# Altium PCB Copy of DIOT_SMA16_.PcbDoc (part 4 of 6) (continued)
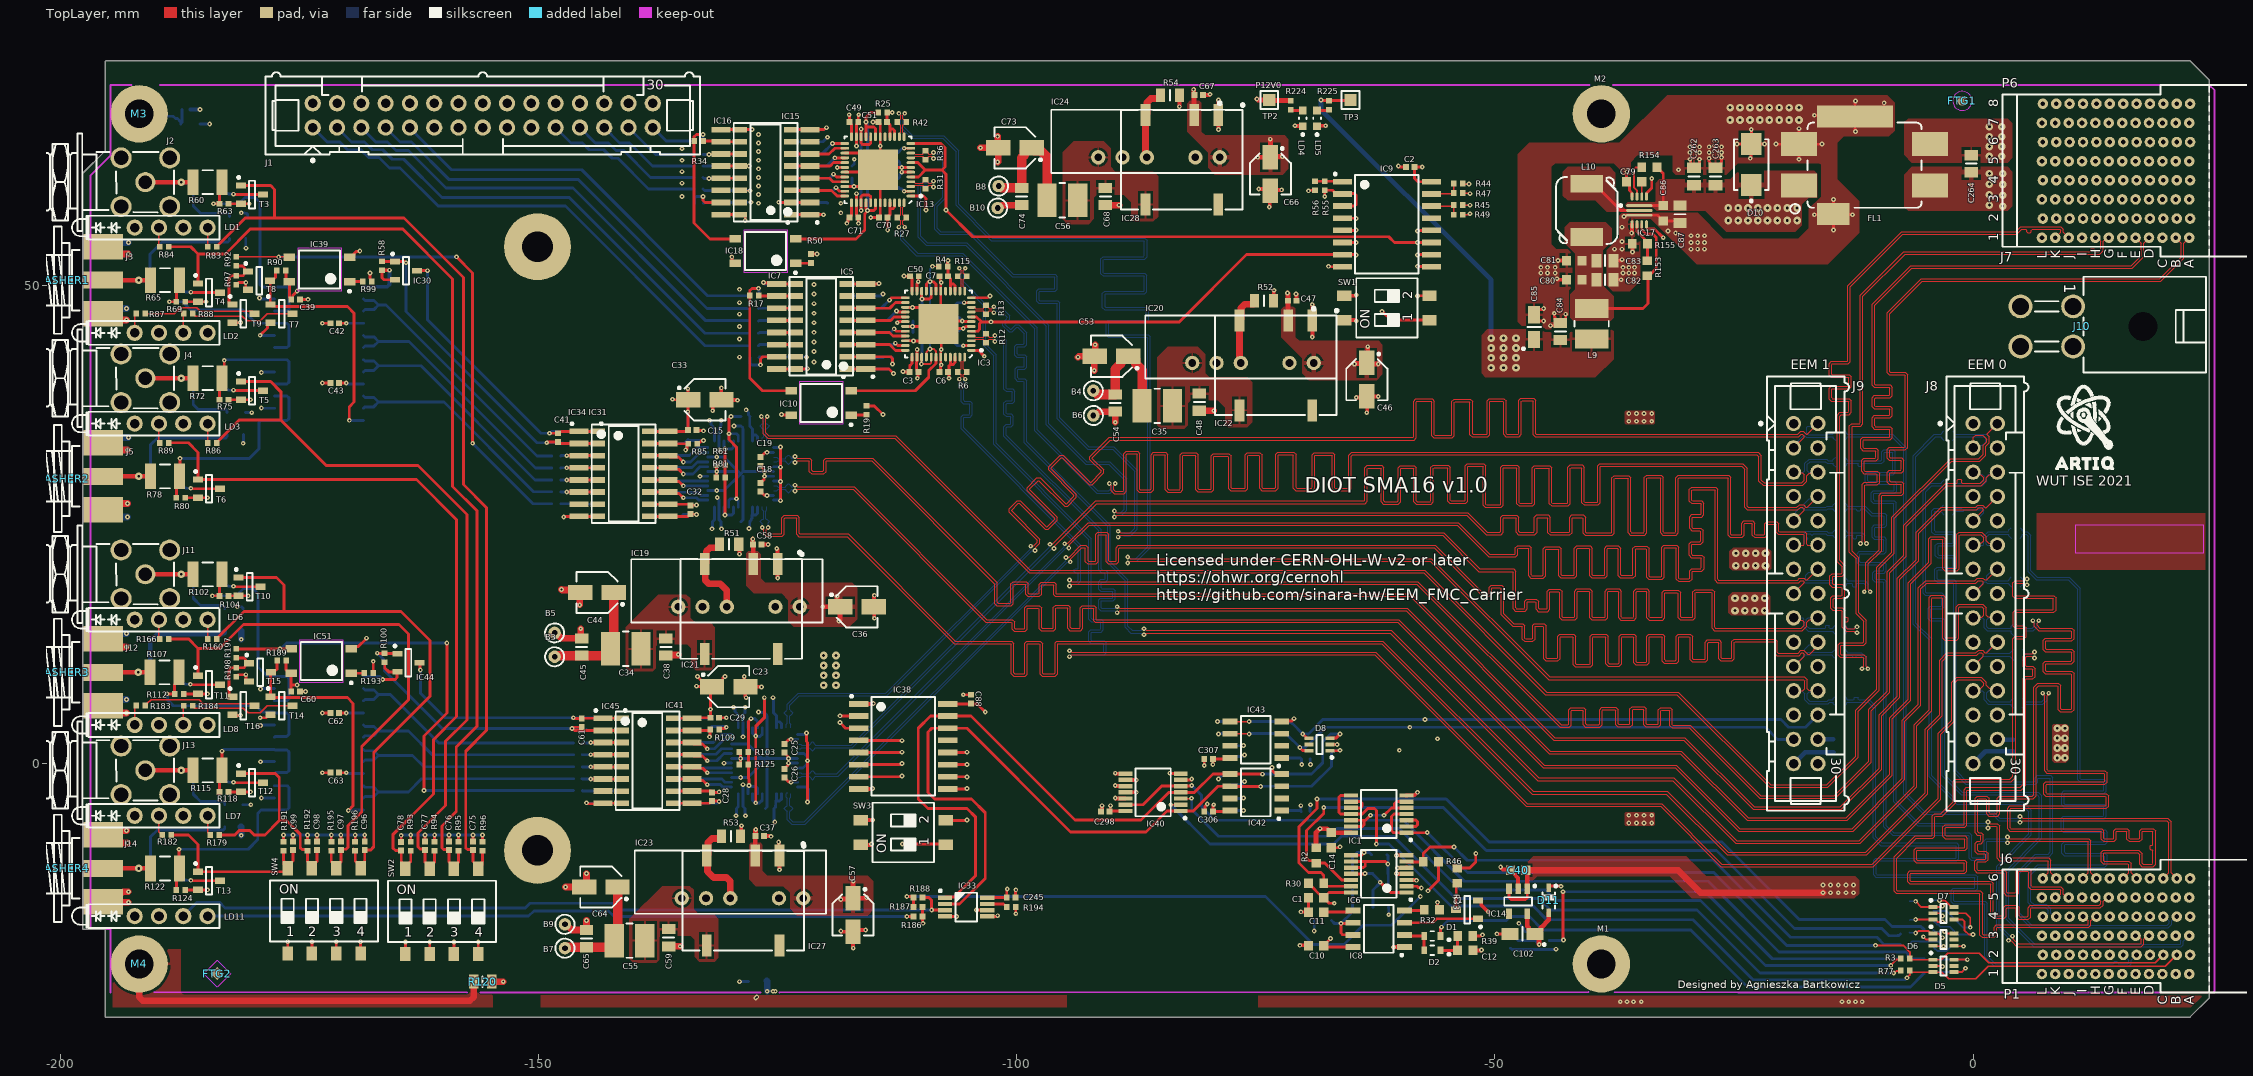
[diagram p0: TopLayer view]
## Nets (pads, with @x,y where several pads share a name; then routed paths per layer and width w, separated by ;. In a path a pad name is that pad's centre, name@x,y a point inside that pad or via, vN(x,y) a via of type N, cw(c..) or ccw(c..) an arc to the next point about the centre after c; other vN are vias at no path point) (continued)
  Bottom Layer w0.4: C212.2@-186.4,68.4 v1(-185.4,68.4)
  other v1: -45.2,51.3 -44.5,51.3 -43.7,51.3 -36.6,51.3 -36,51.3 -35.4,51.3 -45.2,51.9 -44.5,51.9 -43.7,51.9 -36.6,51.9 -36,51.9 -35.4,51.9 -37.5,53.8 -36.7,53.8 -29.5,53.8 -28.8,53.8 -28.1,53.8 -29.5,54.5 -28.8,54.5 -28.1,54.5 -36.7,54.6 -29.5,55.2 -28.8,55.2 -28.1,55.2 -31.1,55.5 -31.9,55.7 -36.7,56.1 -118.401,58.6 -30.8,62.1 -29.6,63.9 -28.6,63.9 -27.6,63.9 -26.3,63.9 -29.6,64.5 -28.6,64.5 -27.6,64.5 -26.3,64.5
  other v2: -25.4,67.3 -24.367,67.3 -23.333,67.3 -22.3,67.3 -21.3,67.3 -20.267,67.3 -19.233,67.3 -18.2,67.3 -25.4,68.6 -24.367,68.6 -23.333,68.6 -22.3,68.6 -21.3,68.6 -20.267,68.6 -19.233,68.6 -18.2,68.6
GND_ISO1: B5.1 C38.1 C39.1 C41.1 C42.1 C43.1 C44.2 C45.1 C75.1 C76.1 C77.1 C78.1 D4.1 D9.1 IC19.4 IC21.7 IC30.1 IC31.2 IC31.8 IC34.2 IC34.8 IC35.2 IC35.5 IC35.8 IC35.11 IC36.9 IC37.9 J2.2 J3.2 J4.2 J5.2 LD1.1 LD1.3 LD3.1 LD3.3 R51.1 R58.1 R63.1 R69.1 R75.1 R80.1 R93.2 R94.2 R95.2 R96.2 R97.1 R98.1 T3.2 T4.2 T5.2 T6.2 T7.2 T8.2 T9.2 | length 132
  TopLayer w0.3: R80.1@-186.933,27.8 T6.2@-185.623,27.8 v1(-184.623,27.8) ; R69.1@-186.933,48.3 T4.2@-185.623,48.3 -184.778,48.3 v1(-184.773,48.295) ; R75.1@-182.433,38.05 T5.2@-181.123,38.05 v1(-180.123,38.05) ; R63.1@-182.433,58.55 T3.2@-181.123,58.55 -180.286,58.55 -180.278,58.542 v1(-180.273,58.542) ; T9.2@-182.023,46.1 -181.214,46.1 v1(-181.173,46.141) ; R97.1@-181.623,50.08 -181.603,50.08 -181.383,50.3 v1(-180.623,50.3) -180.623,49.725 -180.448,49.55 T8.2@-180.373,49.55 ; v1(-179.123,44.8) -178.366,45.557 -178.366,45.925 -178.191,46.1 T7.2@-178.023,46.1 ; C39.1@-174.973,48.55 v1(-174.123,48.55) ; v1(-172.623,39.8) C43.1@-171.773,39.8 ; v1(-172.623,46.05) C42.1@-171.773,46.05 ; R58.1@-166.373,52.52 -165.043,52.52 IC30.1@-165.023,52.5 -164.047,52.5 -163.927,52.38 v1(-163.873,52.38) ; C78.1@-164.373,-8.2 v1(-164.373,-7.5) ; R93.2@-163.373,-8.15 v1(-163.373,-7.45) ; C77.1@-161.873,-8.15 v1(-161.873,-7.45) ; R94.2@-160.873,-8.15 v1(-160.873,-7.45) ; C76.1@-159.373,-8.15 v1(-159.373,-7.45) ; R95.2@-158.373,-8.15 v1(-158.373,-7.45) ; C75.1@-156.873,-8.15 v1(-156.873,-7.45) ; R96.2@-155.873,-8.15 v1(-155.873,-7.45) ; v1(-149.151,33.558) -149.097,33.558 -149.005,33.65 C41.1@-147.993,33.65 -147.833,33.49 -147.698,33.49 -147.683,33.475 IC34.2@-145.773,33.475 IC31.2@-143.823,33.475 ; v1(-147.373,25.8) -147.318,25.855 IC34.8@-145.773,25.855 IC31.8@-143.823,25.855
  TopLayer w0.7: J5.2@-195.573,26.557 -194.93,27.2 v1(-193,27.2) ; J5.2@-195.573,33.542 -194.83,32.8 v1(-193,32.8) ; J3.2@-195.573,47.057 -194.915,46.4 v1(-193.1,46.4) ; J3.2@-195.573,54.042 -194.83,53.3 v1(-192.9,53.3) ; B5.1@-148.328,13.675 -148.193,13.675 -147.618,13.1 C45.1@-145.5,13.1 -145.6,13.2 v1(-145.6,14.1) ; v1(-147.6,18.2) -147.555,18.155 -145.905,18.155 C44.2@-145.65,17.9 -145.7,17.85 v1(-145.7,16.6) ; C38.1@-136.7,11.3 -136.645,11.355 -135.445,11.355 v1(-135.4,11.4) ; R51.1@-131.078,22.925 -131.078,22.7 -131.203,22.575 -132.078,22.575 -132.488,22.165 -132.488,21.025 IC21.7@-132.638,20.875 -132.589,20.826 -132.589,19.21 -132.179,18.8 -131,18.8 -130.32,18.12 IC19.4@-130.32,16.4
  Bottom Layer w0.3: v1(-180.9,33.5) -180.873,33.527 D9.1@-180.873,34.4 ; D4.1@-180.623,54.9 -180.623,53.923 v1(-180.6,53.9) ; v1(-179.2,48.7) -179.09,48.59 IC35.11@-177.623,48.59 ; v1(-179.123,44.8) -179.103,44.78 IC35.8@-177.623,44.78 ; v1(-179,37.2) -178.96,37.16 IC35.2@-177.623,37.16 ; v1(-179,40.9) -178.93,40.97 IC35.5@-177.623,40.97 ; v1(-164.373,-7.5) -164.319,-7.5 -164.269,-7.45 v1(-163.373,-7.45) v1(-161.873,-7.45) v1(-160.873,-7.45) v1(-158.373,-7.45) v1(-156.873,-7.45) v1(-155.873,-7.45) ; v1(-163.873,52.38) -163.873,47.273 -150.158,33.558 v1(-149.151,33.558) -149.144,33.55 R98.1@-148.438,33.55 ; v1(-147.373,25.8) -147.319,25.8 -147.264,25.855 IC37.9@-145.773,25.855 IC36.9@-143.823,25.855
  Bottom Layer w0.7: v1(-193.1,46.4) -194.915,46.4 J3.2@-195.573,47.057 -195.03,47.6 v1(-193.1,47.6) ; v1(-193,25.8) -194.815,25.8 J5.2@-195.573,26.557 -194.93,27.2 v1(-193,27.2) ; v1(-193,32.8) -194.83,32.8 J5.2@-195.573,33.542 -195.015,34.1 v1(-192.9,34.1) ; v1(-192.9,53.3) -194.83,53.3 J3.2@-195.573,54.042 -195.115,54.5 v1(-192.9,54.5)
GND_ISO2: B9.1 C59.1 C60.1 C61.1 C62.1 C63.1 C64.2 C65.1 C96.1 C97.1 C98.1 C99.1 D13.1 D14.1 IC23.4 IC27.7 IC41.2 IC41.8 IC44.1 IC45.2 IC45.8 IC47.9 IC48.2 IC48.5 IC48.8 IC48.11 IC49.9 J11.2 J12.2 J13.2 J14.2 LD6.1 LD6.3 LD7.1 LD7.3 R53.1 R100.1 R104.1 R112.1 R118.1 R124.1 R185.1 R191.2 R192.2 R195.2 R196.2 R198.1 T10.2 T11.2 T12.2 T13.2 T14.2 T15.2 T16.2 | length 123.8
  TopLayer w0.3: R112.1@-187.123,7.3 T11.2@-185.623,7.3 v1(-184.623,7.3) ; R124.1@-186.933,-13.2 T13.2@-185.623,-13.2 v1(-184.623,-13.2) ; R118.1@-182.433,-2.95 T12.2@-181.123,-2.95 v1(-180.123,-2.95) ; R104.1@-182.433,17.55 T10.2@-181.373,17.55 v1(-180.373,17.55) ; T16.2@-182.023,5.1 -181.971,5.048 v1(-181.173,5.048) ; R198.1@-181.623,9.08 -181.603,9.08 -181.383,9.3 v1(-180.623,9.3) -180.612,9.289 -180.612,8.775 -180.437,8.6 T15.2@-180.273,8.6 ; v1(-179.123,4.8) -178.523,4.8 -178.223,5.1 T14.2@-178.023,5.1 ; R191.2@-176.683,-8.15 v1(-176.683,-7.45) ; C99.1@-175.683,-8.15 v1(-175.683,-7.45) ; C60.1@-174.973,7.55 v1(-174.373,7.55) ; R192.2@-174.183,-8.15 v1(-174.183,-7.45) ; C98.1@-173.183,-8.15 v1(-173.183,-7.45) ; v1(-172.623,-0.95) C63.1@-171.773,-0.95 ; v1(-172.623,5.3) C62.1@-171.773,5.3 ; R195.2@-171.683,-8.15 v1(-171.683,-7.45) ; C97.1@-170.683,-8.15 v1(-170.683,-7.45) ; R196.2@-169.183,-8.15 v1(-169.183,-7.45) ; C96.1@-168.183,-8.15 v1(-168.183,-7.45) ; v1(-166.873,11.55) -166.843,11.52 R100.1@-166.123,11.52 -164.793,11.52 IC44.1@-164.773,11.5 ; v1(-146.498,3.675) v1@-146.452,3.675 ; C61.1@-145.493,3.808 -146.311,3.808 -146.444,3.675 v1@-146.452,3.675 ; v1(-145,-4.1) -144.9,-4.2 -143.322,-4.2 IC45.8@-143.267,-4.144 IC41.8@-141.323,-4.145 ; IC41.2@-141.323,3.475 -143.266,3.475 -146.253,3.476 v1@-146.452,3.675
  TopLayer w0.7: J12.2@-195.573,6.057 -194.815,5.3 v1(-193.1,5.3) ; J12.2@-195.573,13.042 -194.73,12.2 v1(-193.1,12.2) ; v1(-193.1,-7) -195.115,-7 J14.2@-195.573,-7.458 -194.73,-8.3 v1(-193,-8.3) ; v1(-192.9,-14.5) -195.515,-14.5 J14.2@-195.573,-14.443 -194.59,-13.46 -193.478,-13.46 -193.418,-13.4 v1(-192.9,-13.4) ; B9.1@-147.25,-16.8 -147.14,-16.8 -146.54,-17.4 C65.1@-145,-17.4 v1(-145,-16.4) ; v1(-147.2,-12.9) C64.2@-145.25,-12.9 -145,-12.65 v1(-145,-11.5) ; C59.1@-136.4,-19.1 v1(-135.2,-19.1) ; R53.1@-130.873,-7.575 -130.873,-7.71 -130.998,-7.835 -131.873,-7.835 -132.283,-8.245 -132.283,-9.475 IC27.7@-132.433,-9.625 -132.336,-9.721 -132.336,-11.264 -131.7,-11.9 -130.363,-11.9 -129.953,-12.31 IC23.4@-129.953,-14.075
  Bottom Layer w0.3: v1(-179.1,0.2) -179.08,0.22 IC48.5@-177.623,0.22 ; v1(-179.1,4) -179.07,4.03 IC48.8@-177.623,4.03 ; v1(-179.1,7.8) -179.06,7.84 IC48.11@-177.623,7.84 ; v1(-179,-3.6) -178.99,-3.59 IC48.2@-177.623,-3.59 ; v1(-176.683,-7.45) v1(-173.183,-7.45) v1(-168.183,-7.45) ; v1(-166.873,11.55) -166.85,11.55 -166.1,10.8 -166.1,9.7 -160.075,3.675 v1(-146.498,3.675) -146.46,3.637 -146.025,3.637 R185.1@-145.938,3.55 ; v1(-145,-4.1) -144.946,-4.1 -144.901,-4.145 IC49.9@-143.273,-4.145 IC47.9@-141.323,-4.145
  Bottom Layer w0.7: v1(-193.1,5.3) -194.815,5.3 J12.2@-195.573,6.057 -194.93,6.7 v1(-193.1,6.7) ; v1(-193.1,12.2) -194.73,12.2 J12.2@-195.573,13.042 -195.015,13.6 v1(-193.1,13.6) ; D14.1@-181.123,-6.6 -181.1,-6.623 v1(-181.1,-7.5) ; D13.1@-181.123,13.9 -181.1,13.877 v1(-181.1,13)
GND_ISO3: B6.1 C48.1 C53.2 C54.1 IC2.2 IC2.8 IC4.2 IC4.8 IC5.9 IC7.9 IC20.4 IC22.7 J1.2 J1.4 J1.6 J1.8 J1.10 J1.11 J1.15 R18.1 R52.1 | length 29.1
  TopLayer w0.3: v1(-126.5,50.3) -126.462,50.262 -125.199,50.262 IC7.9@-125.099,50.162 IC5.9@-123.149,50.162
  TopLayer w0.7: v1(-93.6,42.5) -93.5,42.6 C53.2@-91.85,42.6 ; B6.1@-92,36.4 -91.838,36.4 -91.438,36.8 C54.1@-89.7,36.8 v1(-89.7,35.7) ; v1(-91.9,41.1) -91.9,42.55 C53.2@-91.85,42.6 ; v1(-91.8,43.8) -91.8,42.65 C53.2@-91.85,42.6 ; C48.1@-80.9,36.9 v1(-79.4,36.9) ; IC20.4@-76.57,41.9 -76.71,42.04 IC22.7@-76.71,46.35 -76.56,46.5 -76.56,47.64 -76.15,48.05 -75.275,48.05 -75.15,48.175 R52.1@-75.15,48.4
  Bottom Layer w0.3: R18.1@-126.949,42.467 -126.874,42.542 IC4.2@-125.099,42.542 IC2.2@-123.149,42.542 -122.042,42.542 v1(-122,42.5) ; v1(-126.5,50.3) -126.362,50.162 IC4.8@-125.099,50.162 IC2.8@-123.149,50.162
  other v1: -121.2,42 -129,42.5 -121.2,43.1 -121.2,44.1 -129,44.4 -121.2,45.1 -129,45.7 -121.2,46.1 -129,47 -121.2,47.1 -121.2,48.1 -129,48.2 -121.2,49.1 -129,49.6 -121.2,50.1
GND_ISO4: B10.1 C68.1 C73.2 C74.1 IC11.2 IC11.8 IC12.2 IC12.8 IC15.9 IC16.9 IC24.4 IC28.7 J1.16 J1.20 J1.22 J1.24 J1.26 J1.28 J1.30 R48.1 R54.1 | length 27.8
  TopLayer w0.3: IC16.9@-130.926,66.295 IC15.9@-128.976,66.295 -127.705,66.295 v1(-127.7,66.3)
  TopLayer w0.7: v1(-103.8,64.4) C73.2@-101.95,64.4 ; B10.1@-102,58.1 -101.838,58.1 -101.538,58.4 C74.1@-99.5,58.4 ; v1(-102,62.9) -101.95,62.95 C73.2@-101.95,64.4 ; v1(-102,65.6) -102,64.45 C73.2@-101.95,64.4 ; C68.1@-90.73,58.4 v1(-89.3,58.4) ; IC24.4@-86.4,63.4 -86.54,63.54 IC28.7@-86.54,67.85 -86.39,68 -86.39,69.14 -85.98,69.55 -85.105,69.55 -84.98,69.675 R54.1@-84.98,69.9
  Bottom Layer w0.3: R48.1@-132.776,58.6 -132.701,58.675 IC12.2@-130.926,58.675 IC11.2@-128.976,58.675 -128.951,58.7 v1(-127.8,58.7) ; IC12.8@-130.926,66.295 IC11.8@-128.976,66.295 -127.705,66.295 v1(-127.7,66.3)
  other v1: -127,58.6 -135,59.3 -127,59.5 -127,60.4 -135,60.7 -127,61.3 -135,61.9 -127,62.2 -135,63.1 -127,63.1 -127,64 -135,64.3 -127,64.9 -127,65.8
GNDIC4: IC2.15 IC4.15 R16.1 | length 3.8
  Bottom Layer w0.3: IC2.15@-117.749,42.542 IC4.15@-115.799,42.542 -115.724,42.467 R16.1@-113.949,42.467
GNDIC12: IC11.15 IC12.15 R29.1 | length 3.8
  Bottom Layer w0.3: IC11.15@-123.576,58.675 IC12.15@-121.626,58.675 -119.851,58.675 R29.1@-119.776,58.6
GNDIC34: IC31.15 IC34.15 R85.1 | length 4.8
  TopLayer w0.3: IC31.15@-138.423,33.475 IC34.15@-136.473,33.475 -136.448,33.45 R85.1@-134.373,33.45 -134.491,33.332 -134.491,32.932 v1(-134.623,32.8)
GNDIC37: IC36.15 IC37.15 R98.2 | length 3.7
  Bottom Layer w0.3: R98.2@-147.498,33.55 -147.423,33.475 IC37.15@-145.773,33.475 IC36.15@-143.823,33.475
GNDIC45: IC41.15 IC45.15 R109.1 | length 4.7
  TopLayer w0.3: IC41.15@-135.923,3.475 IC45.15@-133.967,3.476 ; IC45.15@-133.967,3.476 -132.137,3.476 R109.1@-132.063,3.55 -132.063,2.86 v1(-132.123,2.8)
GNDIC47: IC47.15 IC49.15 R185.2 | length 3.7
  Bottom Layer w0.3: R185.2@-144.998,3.55 -144.923,3.475 IC49.15@-143.273,3.475 IC47.15@-141.323,3.475
I2C_SCL: IC1.9 IC1.10 | length 3.3
  TopLayer w0.3: IC1.10@-65.056,-4.631 IC1.10@-65.05,-4.625 -64.081,-4.625 -63.906,-4.449 -63.906,-4.131 -64.081,-3.956 -65.031,-3.956 -65.056,-3.981 IC1.9@-64.556,-3.981
I2C_SDA: IC1.2 IC1.3 | length 3.3
  TopLayer w0.3: IC1.2@-59.256,-6.581 IC1.2@-59.25,-6.575 -58.281,-6.575 -58.106,-6.399 -58.106,-6.081 -58.281,-5.906 -59.231,-5.906 -59.256,-5.931 IC1.3@-58.756,-5.931
IO0: D4.3 J2.1 R60.1 R62.2 | length 13.1
  TopLayer w0.5: J2.1@-191.073,60.8 v2(-187.373,60.8) R60.1@-186.123,60.8
  Bottom Layer w0.3: R62.2@-186.123,60.8 -186.123,58.3 -185.373,57.55 -182.473,57.55 -182.323,57.4 D4.3@-182.323,57.2
  Bottom Layer w0.5: v2(-187.373,60.8) R62.2@-186.123,60.8
IO1: D4.2 J3.1 R65.1 R68.2 | length 18.1
  TopLayer w0.5: J3.1@-195.523,50.55 v2(-191.823,50.55) R65.1@-190.573,50.55
  Bottom Layer w0.3: R68.2@-190.573,50.55 -190.623,50.6 -190.623,53.3 -189.373,54.55 -182.473,54.55 -182.323,54.7 D4.2@-182.323,54.9
  Bottom Layer w0.5: v2(-191.823,50.55) R68.2@-190.573,50.55
IO2: D9.3 J4.1 R72.1 R74.2 | length 13
  TopLayer w0.5: J4.1@-191.073,40.3 v2(-187.373,40.3) R72.1@-186.123,40.3
  Bottom Layer w0.3: R74.2@-186.123,40.3 -186.123,37.55 -185.623,37.05 -182.723,37.05 -182.573,36.9 D9.3@-182.573,36.7
  Bottom Layer w0.5: v2(-187.373,40.3) R74.2@-186.123,40.3
IO3: D9.2 J5.1 R78.1 R79.2 | length 18.1
  TopLayer w0.5: J5.1@-195.523,30.05 v2(-191.823,30.05) R78.1@-190.573,30.05
  Bottom Layer w0.3: R79.2@-190.573,30.05 -190.573,33.35 -189.873,34.05 -182.723,34.05 -182.573,34.2 D9.2@-182.573,34.4
  Bottom Layer w0.5: v2(-191.823,30.05) R79.2@-190.573,30.05
IO4: D13.3 J11.1 R102.1 R105.2 | length 12.6
  TopLayer w0.5: J11.1@-191.073,19.8 v2(-187.373,19.8) R102.1@-186.123,19.8
  Bottom Layer w0.3: R105.2@-186.123,19.8 -186.123,17.3 -185.373,16.55 -182.973,16.55 -182.823,16.4 D13.3@-182.823,16.2
  Bottom Layer w0.5: v2(-187.373,19.8) R105.2@-186.123,19.8
IO5: D13.2 J12.1 R107.1 R111.2 | length 17.8
  TopLayer w0.5: J12.1@-195.573,9.55 v2(-191.873,9.55) R107.1@-190.623,9.55
  Bottom Layer w0.5: v2(-191.873,9.55) R111.2@-190.623,9.55 -190.623,12.8 -189.873,13.55 -183.173,13.55 -183.073,13.65 -182.873,13.65 -182.823,13.7 D13.2@-182.823,13.9
IO6: D14.3 J13.1 R115.1 R117.2 | length 12.6
  TopLayer w0.5: J13.1@-191.073,-0.7 v2(-187.373,-0.7) R115.1@-186.123,-0.7
  Bottom Layer w0.3: R117.2@-186.123,-0.7 -186.123,-3.2 -185.373,-3.95 -182.973,-3.95 -182.823,-4.1 D14.3@-182.823,-4.3
  Bottom Layer w0.5: v2(-187.373,-0.7) R117.2@-186.123,-0.7
IO7: D14.2 J14.1 R122.1 R123.2 | length 17.8
  TopLayer w0.5: J14.1@-195.523,-10.95 v2(-191.823,-10.95) R122.1@-190.573,-10.95
  Bottom Layer w0.3: R123.2@-190.573,-10.95 -190.573,-7.65 -189.873,-6.95 -182.973,-6.95 -182.823,-6.8 D14.2@-182.823,-6.6
  Bottom Layer w0.5: v2(-191.823,-10.95) R123.2@-190.573,-10.95
LED0: LD1.4 R83.2 | length 2
  TopLayer w0.15: R83.2@-184.623,54.05 LD1.4@-184.623,56.05
LED1: LD1.2 R84.2 | length 2
  TopLayer w0.15: LD1.2@-189.703,56.05 -189.703,54.13 R84.2@-189.623,54.05
LED2: LD3.4 R86.2 | length 2
  TopLayer w0.15: R86.2@-184.623,33.55 LD3.4@-184.623,35.55
LED3: LD3.2 R89.2 | length 2
  TopLayer w0.15: LD3.2@-189.703,35.55 -189.703,33.63 R89.2@-189.623,33.55
LED4: LD6.4 R160.2 | length 2
  TopLayer w0.15: R160.2@-184.623,13.05 LD6.4@-184.623,15.05
LED5: LD6.2 R166.2 | length 2
  TopLayer w0.15: LD6.2@-189.703,15.05 -189.703,13.13 R166.2@-189.623,13.05
LED6: LD7.4 R179.2 | length 2.1
  TopLayer w0.15: LD7.4@-184.623,-5.45 -184.623,-7.15 -184.343,-7.43 R179.2@-184.343,-7.45
LED7: LD7.2 R182.2 | length 2.1
  TopLayer w0.15: LD7.2@-189.703,-5.45 -189.703,-7.12 -189.608,-7.215 -189.588,-7.215 -189.373,-7.43 R182.2@-189.373,-7.45
LED_OUT1: IC39.4 R91.2 R92.2 | length 55.3
  TopLayer w0.15: R92.2@-181.623,52.99 v1(-177.184,52.99) -176.106,52.99 IC39.4@-176.061,52.945
  TopLayer w0.3: v1(-158.6,53) -156.9,51.3 v1(-156.9,33.5)
  Bottom Layer w0.3: v1(-177.184,52.99) -158.61,52.99 v1(-158.6,53) ; v1(-156.9,33.5) -150.575,27.175 R91.2@-148.623,27.175
LED_OUT2: IC51.4 R165.1 R197.2 | length 55.5
  TopLayer w0.3: R197.2@-181.623,11.99 v1(-177.047,11.99) -175.885,11.99 IC51.4@-175.88,11.995 ; v1(-162,-2.8) -162,2.901 -159.6,5.301 v1(-159.6,12.6)
  Bottom Layer w0.3: v1(-177.047,11.99) -176.993,11.99 -176.383,12.6 v1(-159.6,12.6) ; v1(-162,-2.8) -161.975,-2.825 R165.1@-146.373,-2.825
LED_OUT3: IC10.4 R11.2 R17.2 | length 15.8
  TopLayer w0.3: v1(-127,49.7) -127.7,49.7 -127.919,49.481 R17.2@-127.919,48.967 -127.919,40.319 -126.587,38.987 IC10.4@-123.599,38.987
  Bottom Layer w0.3: v1(-127,49.7) -126.941,49.641 R11.2@-126.941,48.929
LED_OUT4: IC18.4 R24.2 R34.1 | length 15.8
  TopLayer w0.3: v1(-132.8,65.8) -133.5,65.8 -133.746,65.554 R34.1@-133.746,65.1 -133.746,56.546 -132.07,54.87 IC18.4@-129.426,54.87
  Bottom Layer w0.3: R24.2@-132.8,65.1 v1(-132.8,65.8)
LVDS_DUAL.LVDS_N0: IC32.48 J8.3 R64.2 R161.2 | length 184.3
  TopLayer w0.12: v1(-126.096,36.3) -126.096,36.217 -126.274,36.04 -126.274,34.626 -125.912,34.265 -112.665,34.265 -98.612,20.212 -57.338,20.212 -44.605,7.48 -30.855,7.48 -21.154,-2.222 -15.306,-2.222 -12.287,0.797 -12.287,5.587 -10.087,7.787 -10.087,20.522 -8.494,22.116 -8.494,25.765 -2.356,31.903 0.603,31.903 1.051,32.35 1.051,33.291 1.437,33.677 1.437,33.936 1.017,34.355 0.272,34.355 0.022,34.105 0.022,33.042 J8.3@0,33.02
  Bottom Layer w0.085: IC32.48@-126.123,33.75 -126.123,34.064 -126.267,34.207 -126.267,34.983 -126.217,35.033 -126.15,35.033 -125.903,35.28 R64.2@-125.903,35.3 -125.903,35.32 -126.15,35.567 -126.217,35.567 -126.267,35.617 -126.267,35.862 -126.3,35.895 -126.3,36.043 -126.096,36.246 v1(-126.096,36.3)
  Bottom Layer w0.12: R161.2@-2.123,33.8 -1.893,34.03 -1.893,34.097 -1.823,34.167 1.2,34.167 1.3,34.067 1.3,33.62 0.983,33.303 0.283,33.303 J8.3@0,33.02
LVDS_DUAL.LVDS_N1: IC3.48 J8.6 R6.2 R162.2 | length 183.7
  TopLayer w0.085: IC3.48@-105.449,42.517 -105.449,42.203 -105.592,42.059 -105.592,41.284 -105.542,41.234 -105.476,41.234 -105.229,40.987 R6.2@-105.229,40.967 -105.229,40.947 -105.476,40.699 -105.542,40.699 -105.592,40.649 -105.592,40.457 -105.389,40.254 v1(-105.389,40.2)
  TopLayer w0.12: v1(-94.5,18.58) -94.417,18.58 -94.24,18.758 -58.157,18.758 -43.189,3.789 -42.251,3.789 -42.025,4.015 -42.025,5.501 -41.955,5.571 -40.828,5.571 -40.758,5.501 -40.758,4.041 -40.532,3.816 -39.023,3.816 -38.797,4.041 -38.797,5.539 -38.727,5.609 -37.456,5.609 -37.385,5.539 -37.385,4.068 -37.16,3.842 -35.838,3.842 -35.612,4.068 -35.612,5.603 -35.542,5.674 -34.506,5.674 -34.436,5.603 -34.436,4.068 -34.21,3.842 -32.861,3.842 -32.635,4.068 -32.635,5.523 -32.565,5.593 -31.77,5.593 -31.7,5.523 -31.7,3.961 -31.474,3.735 -29.685,3.735 -22.313,-3.637 -14.395,-3.637 -10.622,0.136 -10.622,5.552 -8.697,7.477 -8.697,19.938 -6.963,21.673 -6.963,24.843 -2.75,29.056 0.834,29.056 1.376,29.598 1.376,29.886 1.687,30.197 2.257,30.197 J8.6@2.54,30.48
  Bottom Layer w0.12: v1(-105.389,40.2) -105.389,40.117 -105.566,39.94 -105.566,37.977 -105.496,37.907 -104.876,37.907 -104.65,37.682 -104.65,36.461 -104.876,36.235 -105.496,36.235 -105.566,36.165 -105.566,35.125 -93.288,22.846 -93.288,19.112 -93.642,18.758 -94.24,18.758 -94.417,18.58 v1(-94.5,18.58) ; R162.2@-2.085,28.7 -1.855,28.93 -1.855,28.985 -1.785,29.055 0.937,29.055 1.409,29.527 1.409,30.011 1.636,30.238 2.298,30.238 J8.6@2.54,30.48
LVDS_DUAL.LVDS_N2: IC32.4 J8.9 R71.2 R163.2 | length 183.6
  TopLayer w0.12: v1(-123.2,31.496) -123.117,31.496 -122.94,31.674 -121.751,31.674 -121.681,31.603 -121.681,30.548 -121.455,30.322 -120.161,30.322 -119.935,30.548 -119.935,31.603 -119.865,31.674 -115.19,31.674 -102.297,18.781 -102.297,16.744 -102.071,16.519 -100.573,16.519 -100.348,16.744 -100.348,18.693 -100.277,18.764 -99.138,18.764 -99.067,18.693 -99.067,17.703 -98.842,17.477 -97.634,17.477 -97.408,17.703 -97.408,18.635 -97.338,18.705 -96.198,18.705 -96.128,18.635 -96.128,17.655 -95.972,17.5 -58.874,17.5 -43.837,2.463 -30.237,2.463 -23.012,-4.762 -13.767,-4.762 -9.572,-0.568 -9.572,5.028 -7.647,6.953 -7.647,19.262 -5.697,21.213 -5.697,24.077 -3.227,26.547 0.368,26.547 0.591,26.771 0.895,26.771 1.072,26.593 1.072,26.472 J8.9@0,25.4
  Bottom Layer w0.085: IC32.4@-125.423,31.55 -125.109,31.55 -124.966,31.694 -124.652,31.694 -124.19,31.694 -124.14,31.644 -124.14,31.577 -123.893,31.33 R71.2@-123.873,31.33 -123.853,31.33 -123.606,31.577 -123.606,31.644 -123.556,31.694 -123.457,31.694 -123.26,31.496 v1(-123.2,31.496)
  Bottom Layer w0.12: R163.2@-2.123,26.05 -1.893,26.28 -1.893,26.347 -1.823,26.417 -1.052,26.417 -0.923,26.547 1.057,26.547 1.127,26.477 1.127,26.227 0.3,25.4 J8.9@0,25.4
LVDS_DUAL.LVDS_N3: IC3.4 J8.12 R12.2 R164.2 | length 182.3
  TopLayer w0.085: IC3.4@-104.749,44.717 -104.435,44.717 -104.291,44.573 -103.516,44.573 -103.466,44.623 -103.466,44.689 -103.219,44.937 R12.2@-103.199,44.937 -103.179,44.937 -102.931,44.689 -102.931,44.623 -102.881,44.573 -102.5,44.573 -102.3,44.773 v1(-102.3,44.777)
  TopLayer w0.12: v1(-89.5,16.404) -89.417,16.404 -89.24,16.226 -59.151,16.226 -44.225,1.3 -30.501,1.3 -23.528,-5.672 -13.277,-5.672 -8.712,-1.108 -8.712,4.787 -6.787,6.712 -6.787,18.927 -4.65,21.064 -4.65,23.507 -4.424,23.732 -3.126,23.732 -2.9,23.507 -2.9,20.496 -2.83,20.426 -1.767,20.426 -1.696,20.496 -1.696,23.987 -1.471,24.212 0.91,24.212 1.376,23.746 1.376,23.317 1.63,23.063 2.337,23.063 J8.12@2.54,22.86
  Bottom Layer w0.12: v1(-102.3,44.777) -102.243,44.777 -102.04,44.573 -101.38,44.573 -101.088,44.28 -101.088,39.256 -101.017,39.186 -100.431,39.186 -100.206,38.96 -100.206,37.902 -100.431,37.676 -101.017,37.676 -101.088,37.606 -101.088,36.635 -101.017,36.565 -100.579,36.565 -100.353,36.339 -100.353,35.439 -100.579,35.213 -101.017,35.213 -101.088,35.143 -101.088,34.362 -91.188,24.462 -91.188,20.379 -91.049,20.241 -90.72,20.241 -90.494,20.015 -90.494,19.217 -90.72,18.992 -91.117,18.992 -91.188,18.922 -91.188,18.369 -91.117,18.299 -89.92,18.299 -89.694,18.073 -89.694,17.252 -89.92,17.026 -91.188,17.026 -91.188,16.297 -91.117,16.226 -89.76,16.226 -89.583,16.404 v1(-89.5,16.404) ; J8.12@2.54,22.86 1.473,22.86 1.402,22.93 1.402,23.698 1.697,23.992 3.675,23.992 3.745,23.922 3.745,23.805 R164.2@3.975,23.575
LVDS_DUAL.LVDS_N4: IC32.10 J8.15 R76.2 R167.2 | length 183.1
  TopLayer w0.12: v1(-123.2,28.496) -123.117,28.496 -122.94,28.674 -117.114,28.674 -103.24,14.8 -100.564,14.8 -100.493,14.73 -100.493,14.07 -100.268,13.844 -99.125,13.844 -98.899,14.07 -98.899,16.195 -98.829,16.265 -97.735,16.265 -97.665,16.195 -97.665,14.107 -97.439,13.882 -96.126,13.882 -95.9,14.107 -95.9,16.238 -95.83,16.309 -94.735,16.309 -94.665,16.238 -94.665,14.139 -94.439,13.913 -93.326,13.913 -93.1,14.139 -93.1,16.2 -93.03,16.27 -92.022,16.27 -91.952,16.2 -91.952,14.955 -91.796,14.8 -60.174,14.8 -44.962,-0.412 -31.162,-0.412 -24.512,-7.062 -12.538,-7.062 -7.125,-1.649 -7.125,4.425 -5.45,6.1 -5.45,18.276 -4.843,18.883 0.285,18.883 0.547,19.145 0.9,19.145 1.05,18.995 1.05,18.83 J8.15@0,17.78
  Bottom Layer w0.085: IC32.10@-125.423,28.55 -125.109,28.55 -124.966,28.694 -124.19,28.694 -124.14,28.644 -124.14,28.577 -123.893,28.33 R76.2@-123.873,28.33 -123.853,28.33 -123.606,28.577 -123.606,28.644 -123.556,28.694 -123.457,28.694 -123.26,28.496 v1(-123.2,28.496)
  Bottom Layer w0.12: J8.15@0,17.78 1.215,18.995 1.314,18.995 1.47,18.839 3.7,18.839 3.77,18.769 3.77,18.705 R167.2@4,18.475
LVDS_DUAL.LVDS_P0: IC32.47 J8.2 R64.1 R145.2 | length 184.2
  TopLayer w0.12: v1(-126.716,36.3) -126.716,36.217 -126.539,36.04 -126.539,34.516 -126.022,34 -112.775,34 -98.722,19.947 -57.447,19.947 -44.715,7.215 -30.965,7.215 -21.263,-2.487 -15.197,-2.487 -12.022,0.687 -12.022,5.478 -9.822,7.678 -9.822,20.412 -8.229,22.006 -8.229,25.655 -2.246,31.638 0.713,31.638 1.316,32.241 1.316,33.182 1.702,33.568 1.702,34.183 1.482,34.403 1.482,34.502 J8.2@2.54,35.56
  Bottom Layer w0.085: v1(-126.716,36.3) -126.716,36.246 -126.512,36.043 -126.512,35.807 -126.479,35.774 -126.479,35.617 -126.529,35.567 -126.596,35.567 -126.843,35.32 R64.1@-126.843,35.3 -126.843,35.28 -126.596,35.033 -126.529,35.033 -126.479,34.983 -126.479,34.207 -126.623,34.064 IC32.47@-126.623,33.75
  Bottom Layer w0.12: R145.2@-2.123,34.8 -1.893,34.57 -1.893,34.51 -1.823,34.44 1.42,34.44 J8.2@2.54,35.56
LVDS_DUAL.LVDS_P1: IC3.47 J8.5 R6.1 R146.2 | length 183.7
  TopLayer w0.085: v1(-106.009,40.2) -106.009,40.254 -105.805,40.457 -105.805,40.649 -105.855,40.699 -105.921,40.699 -106.169,40.947 R6.1@-106.169,40.967 -106.169,40.987 -105.921,41.234 -105.855,41.234 -105.805,41.284 -105.805,42.059 -105.949,42.203 IC3.47@-105.949,42.517
  TopLayer w0.12: v1(-94.5,19.2) -94.417,19.2 -94.24,19.023 -58.048,19.023 -43.079,4.054 -42.36,4.054 -42.29,4.124 -42.29,5.61 -42.065,5.836 -40.718,5.836 -40.493,5.61 -40.493,4.151 -40.422,4.081 -39.132,4.081 -39.062,4.151 -39.062,5.649 -38.837,5.874 -37.346,5.874 -37.12,5.649 -37.12,4.177 -37.05,4.107 -35.948,4.107 -35.877,4.177 -35.877,5.713 -35.652,5.939 -34.396,5.939 -34.171,5.713 -34.171,4.177 -34.1,4.107 -32.97,4.107 -32.9,4.177 -32.9,5.633 -32.674,5.858 -31.661,5.858 -31.435,5.633 -31.435,4.07 -31.365,4 -29.576,4 -22.203,-3.372 -14.505,-3.372 -10.887,0.245 -10.887,5.662 -8.962,7.587 -8.962,20.048 -7.228,21.783 -7.228,24.952 -2.86,29.321 -1.713,29.321 -1.643,29.391 -1.643,29.656 -1.572,29.727 -1.27,29.727 -1.2,29.656 -1.2,29.391 -1.13,29.321 0.724,29.321 1.111,29.707 1.111,29.886 0.801,30.197 0.283,30.197 J8.5@0,30.48
  Bottom Layer w0.12: v1(-106.009,40.2) -106.009,40.117 -105.831,39.94 -105.831,37.868 -105.606,37.642 -104.986,37.642 -104.915,37.572 -104.915,36.57 -104.986,36.5 -105.606,36.5 -105.831,36.275 -105.831,35.015 -93.553,22.736 -93.553,20.451 -93.623,20.38 -93.906,20.38 -93.976,20.31 -93.976,20.054 -93.906,19.984 -93.623,19.984 -93.553,19.914 -93.553,19.222 -93.752,19.023 -94.24,19.023 -94.417,19.2 v1(-94.5,19.2) ; R146.2@-2.085,29.675 -1.855,29.445 -1.855,29.39 -1.785,29.32 0.827,29.32 1.144,29.637 1.144,30.051 0.91,30.285 0.195,30.285 J8.5@0,30.48
LVDS_DUAL.LVDS_P2: IC32.3 J8.8 R71.1 R147.2 | length 184.1
  TopLayer w0.12: v1(-123.2,32.116) -123.117,32.116 -122.94,31.939 -121.641,31.939 -121.416,31.713 -121.416,30.658 -121.345,30.587 -120.27,30.587 -120.2,30.658 -120.2,31.713 -119.974,31.939 -115.08,31.939 -102.032,18.89 -102.032,16.854 -101.962,16.784 -100.683,16.784 -100.613,16.854 -100.613,18.803 -100.387,19.029 -99.028,19.029 -98.802,18.803 -98.802,17.813 -98.732,17.742 -97.743,17.742 -97.673,17.813 -97.673,18.745 -97.448,18.97 -96.088,18.97 -95.863,18.745 -95.863,17.765 -58.765,17.765 -43.727,2.728 -30.128,2.728 -22.903,-4.497 -13.876,-4.497 -9.837,-0.459 -9.837,5.137 -7.912,7.062 -7.912,19.372 -5.962,21.322 -5.962,24.187 -3.337,26.812 0.258,26.812 0.482,27.036 1.004,27.036 1.267,26.773 1.373,26.773 J8.8@2.54,27.94
  Bottom Layer w0.085: IC32.3@-125.423,32.05 -125.109,32.05 -124.966,31.906 -124.74,31.906 -124.19,31.906 -124.14,31.956 -124.14,32.023 -123.893,32.27 R71.1@-123.873,32.27 -123.853,32.27 -123.606,32.023 -123.606,31.956 -123.556,31.906 -123.455,31.906 -123.245,32.116 v1(-123.2,32.116)
  Bottom Layer w0.12: R147.2@-2.123,27.05 -1.893,26.82 -1.893,26.753 -1.823,26.682 -1.162,26.682 -1.033,26.812 1.412,26.812 J8.8@2.54,27.94